# Altium PCB 心形流水灯原理图.PcbDoc
Units mil, origin at the board's own origin, x right, y up, seen from the top; angles counter-clockwise.
Board outline 3195 x 3035 mil, 2 copper layers (Top Layer, Bottom Layer); 71 components, 70 nets, 183 pads, 45 vias.
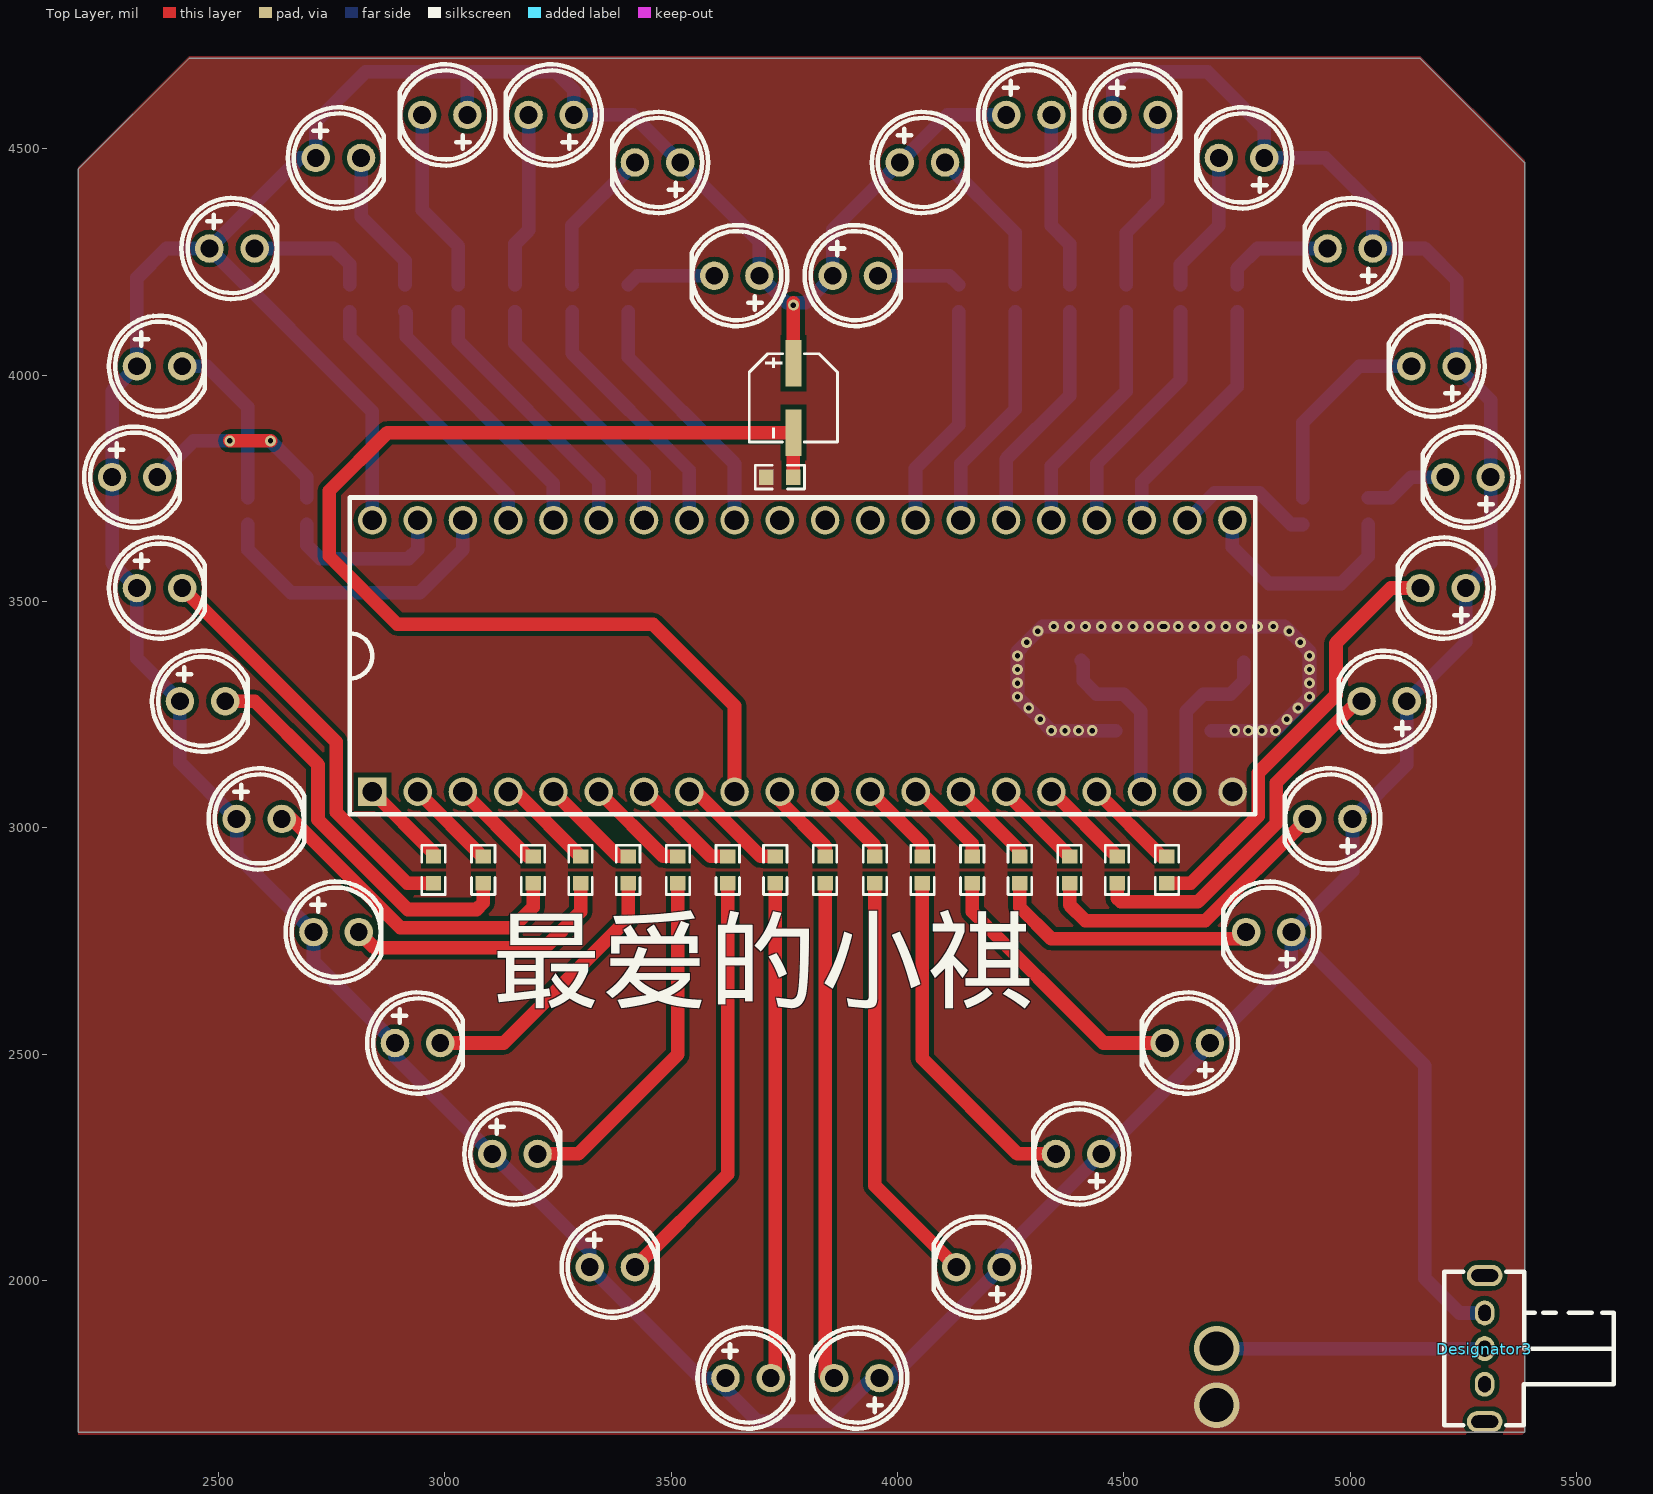
[diagram p0: Top Layer view]
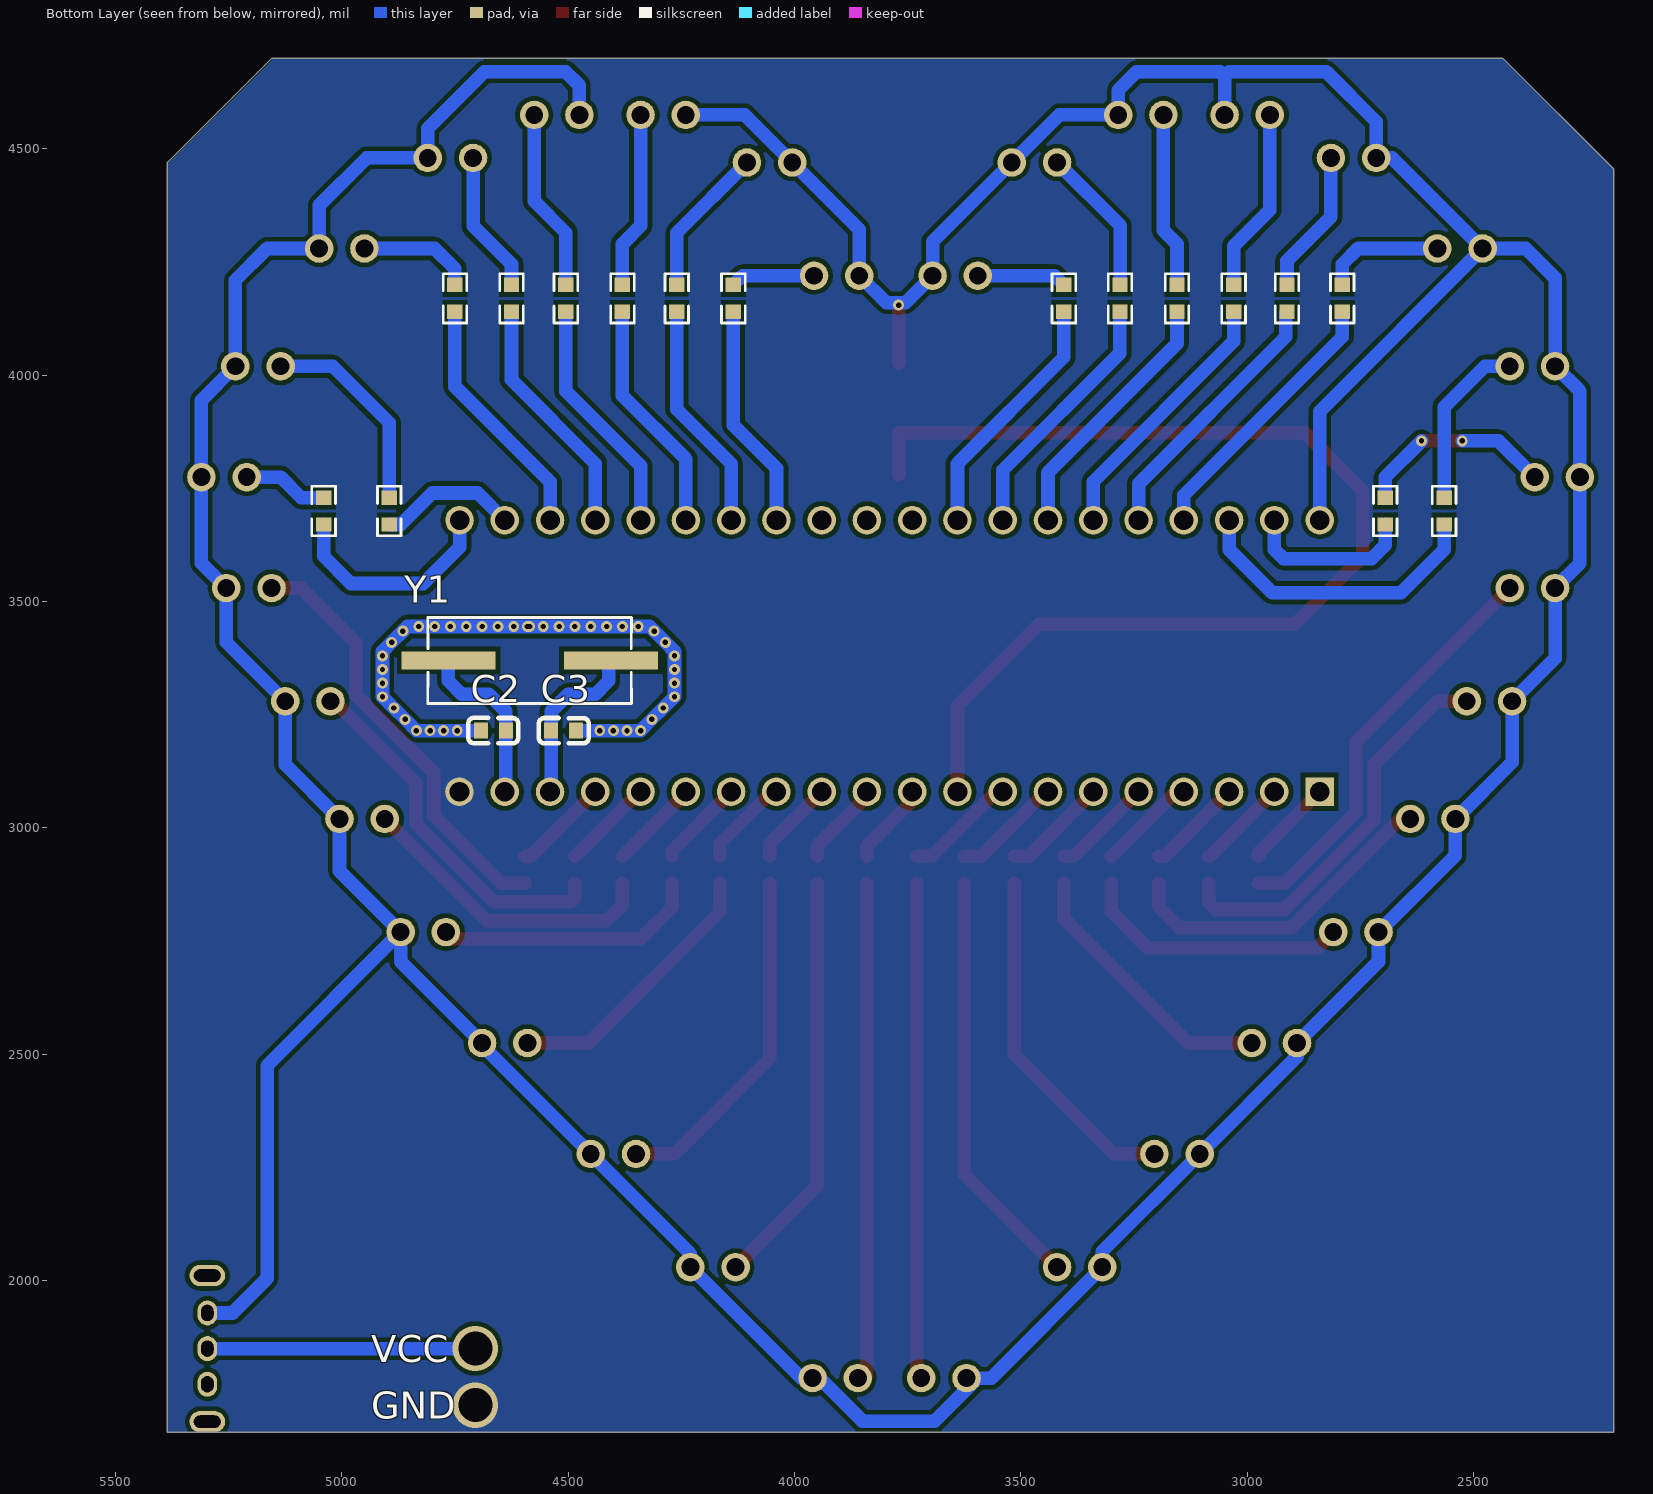
[diagram p1: Bottom Layer view, seen from below]

## Layer stack, top to bottom
Top Solder: solder mask 0.4, Solder Resist, Dk 3.5
Top Layer: signal copper 1.4
Dielectric 1: dielectric 12.6, FR-4, Dk 4.8
Bottom Layer: signal copper 1.4
Bottom Solder: solder mask 0.4, Solder Resist, Dk 3.5

## Board outline
2190,1665 2190,4455 2435,4700 5155,4700 5385,4470 5385,1665

## Design rules (kind name [scope] priority, off if disabled: settings)
Clearance [All] p1: gap=10 ignorepadtopadclearanceinfootprint=FALSE
PolygonConnect [All] p1: connectstyle=Direct reliefconductorwidth=10 reliefentries=4 polygonreliefangle="90 Angle" airgapwidth=10
RoutingVias [All] p1: holewidth=28 width=50 viastyle="Through Hole" minholewidth=28 minwidth=50 maxholewidth=28 maxwidth=50
SolderMaskExpansion [All] p1: expansion=4 istentingtop=FALSE
Width [All] p1: maxlimit=50 minlimit=10 preferedwidth=30
30 further rules are at their usual default settings.

## Classes and differential pairs
component class 心形流水灯原理图: C2 C3 DC Y1

## Components (designator, comment, footprint, x,y, rotation, side; value= is the part's Value field where it differs from the comment)
C1 "Cap Pol1" CAP-SMD_BD5.0-L5.3-W5.3-FD 3770,3950 r270 top value=10uF
C2 "Cap" C0603 4665,3215 r180 bottom value=30pF
C3 "Cap" C0603 4510,3215 r0 bottom value=30pF
Designator3 "Comment" SW-TH_SK-12D02-VG5 5395,1850 r90 top
L1 "LED" LED-TH_BD5.6-P2.54-FD 2315,3775 r0 top
L2 "LED" LED-TH_BD5.6-P2.54-FD 2370,4020 r0 top
L3 "LED" LED-TH_BD5.6-P2.54-FD 2530,4280 r0 top
L4 "LED" LED-TH_BD5.6-P2.54-FD 2765,4480 r0 top
L5 "LED" LED-TH_BD5.6-P2.54-FD 3000,4575 r180 top
L6 "LED" LED-TH_BD5.6-P2.54-FD 3235,4575 r180 top
L7 "LED" LED-TH_BD5.6-P2.54-FD 3470,4470 r180 top
L8 "LED" LED-TH_BD5.6-P2.54-FD 3645,4220 r180 top
L9 "LED" LED-TH_BD5.6-P2.54-FD 2370,3530 r0 top
L10 "LED" LED-TH_BD5.6-P2.54-FD 2465,3280 r0 top
L11 "LED" LED-TH_BD5.6-P2.54-FD 2590,3020 r0 top
L12 "LED" LED-TH_BD5.6-P2.54-FD 2760,2770 r0 top
L13 "LED" LED-TH_BD5.6-P2.54-FD 2940,2525 r0 top
L14 "LED" LED-TH_BD5.6-P2.54-FD 3155,2280 r0 top
L15 "LED" LED-TH_BD5.6-P2.54-FD 3370,2030 r0 top
L16 "LED" LED-TH_BD5.6-P2.54-FD 3670,1785 r0 top
L17 "LED" LED-TH_BD5.6-P2.54-FD 5260,3775 r180 top
L18 "LED" LED-TH_BD5.6-P2.54-FD 5185,4020 r180 top
L19 "LED" LED-TH_BD5.6-P2.54-FD 5000,4280 r180 top
L20 "LED" LED-TH_BD5.6-P2.54-FD 4760,4480 r180 top
L21 "LED" LED-TH_BD5.6-P2.54-FD 4525,4575 r0 top
L22 "LED" LED-TH_BD5.6-P2.54-FD 4290,4575 r0 top
L23 "LED" LED-TH_BD5.6-P2.54-FD 4055,4470 r0 top
L24 "LED" LED-TH_BD5.6-P2.54-FD 3906.8,4220 r0 top
L25 "LED" LED-TH_BD5.6-P2.54-FD 3910,1785 r180 top
L26 "LED" LED-TH_BD5.6-P2.54-FD 4180,2030 r180 top
L27 "LED" LED-TH_BD5.6-P2.54-FD 4400,2280 r180 top
L28 "LED" LED-TH_BD5.6-P2.54-FD 4640,2525 r180 top
L29 "LED" LED-TH_BD5.6-P2.54-FD 4820,2770 r180 top
L30 "LED" LED-TH_BD5.6-P2.54-FD 4955,3020 r180 top
L31 "LED" LED-TH_BD5.6-P2.54-FD 5075,3280 r180 top
L32 "LED" LED-TH_BD5.6-P2.54-FD 5205,3530 r180 top
MCU "STC89C52RC" DIP-40_L50.8-W17.8-P2.54-LS15.2-BL 3790,3380 r0 top
R1 "Res2" R0603 2695,3700 r270 bottom value=1K
R2 "Res2" R0603 2565,3700 r270 bottom value=1K
R3 "Res2" R0603 2790,4170 r270 bottom value=1K
R4 "Res2" R0603 2912.02,4170 r270 bottom value=1K
R5 "Res2" R0603 3030,4170 r270 bottom value=1K
R6 "Res2" R0603 3155,4170 r270 bottom value=1K
R7 "Res2" R0603 3281.07,4170 r270 bottom value=1K
R8 "Res2" R0603 3405,4170 r270 bottom value=1K
R9 "Res2" R0603 2975,2907.47 r90 top
R10 "Res2" R0603 3085,2907.47 r90 top
R11 "Res2" R0603 3195,2907.47 r90 top
R12 "Res2" R0603 3300,2907.47 r90 top
R13 "Res2" R0603 3405,2907.47 r90 top
R14 "Res2" R0603 3515,2907.47 r90 top
R15 "Res2" R0603 3625,2907.47 r90 top
R16 "Res2" R0603 3730,2907.47 r90 top value=1K
R17 "Res2" R0603 5040,3700 r270 bottom value=1K
R18 "Res2" R0603 4895,3700 r270 bottom value=1K
R19 "Res2" R0603 4750,4170 r270 bottom value=1K
R20 "Res2" R0603 4625,4170 r270 bottom value=1K
R21 "Res2" R0603 4505,4170 r270 bottom value=1K
R22 "Res2" R0603 4380,4170 r270 bottom value=1K
R23 "Res2" R0603 4260,4170 r270 bottom value=1K
R24 "Res2" R0603 4135,4170 r270 bottom value=1K
R25 "Res2" R0603 3840,2907.47 r90 top value=1K
R26 "Res2" R0603 3950,2907.47 r90 top value=1K
R27 "Res2" R0603 4055,2907.47 r90 top value=1K
R28 "Res2" R0603 4165,2907.47 r90 top value=1K
R29 "Res2" R0603 4270.2,2907.47 r90 top value=1K
R30 "Res2" R0603 4380,2907.47 r90 top value=1K
R31 "Res2" R0603 4485,2907.47 r90 top value=1K
R32 "Res2" R0603 4595,2907.47 r90 top value=1K
R33 "Res2" R0603 3740,3775 r0 top value=10K
Y1 "XTAL" HC-49S_L11.4-W4.8 4585,3370 r180 bottom

## Footprints (in the part's own frame and the unit in brackets; to place one, negate y for a bottom-side part, rotate by r counter-clockwise, add the part's x,y. Pads: shape width x height; smd on the part's side, far side on the other; paste and mask are expansions set on the pad)
C0603 [mm]
  rect 0.8x0.9 smd: 1(-0.7,0) 2(0.7,0)
  silkscreen extent -1.41,-0.71 1.39,0.72
CAP-SMD_BD5.0-L5.3-W5.3-FD [mm]
  rect 2.61x0.91 smd: 1(-1.945,0) 2(1.945,0)
  silkscreen extent -2.48,-2.48 2.48,2.48
DIP-40_L50.8-W17.8-P2.54-LS15.2-BL [mm]
  rect 1.6x1.6 hole 1.1: 1(-24.13,-7.62)
  round 1.6 hole 1.1: 2(-21.59,-7.62) 3(-19.05,-7.62) 4(-16.51,-7.62) 5(-13.97,-7.62) 6(-11.43,-7.62) 7(-8.89,-7.62) 8(-6.35,-7.62) 9(-3.81,-7.62) 10(-1.27,-7.62) 11(1.27,-7.62) 12(3.81,-7.62) 13(6.35,-7.62) 14(8.89,-7.62) 15(11.43,-7.62) 16(13.97,-7.62) 17(16.51,-7.62) 18(19.05,-7.62) 19(21.59,-7.62) 20(24.13,-7.62) 21(24.125,7.62) 22(21.586,7.62) 23(19.045,7.62) 24(16.505,7.62) 25(13.965,7.62) 26(11.425,7.62) 27(8.885,7.62) 28(6.345,7.62) 29(3.81,7.62) 30(1.27,7.62) 31(-1.27,7.62) 32(-3.81,7.62) 33(-6.35,7.62) 34(-8.89,7.62) 35(-11.43,7.62) 36(-13.97,7.62) 37(-16.51,7.62) 38(-19.05,7.62) 39(-21.59,7.62) 40(-24.13,7.62)
  silkscreen extent -25.4,-8.89 25.4,8.89
HC-49S_L11.4-W4.8 [mm]
  rect 5.274x1.02 smd: 1(4.553,0) 2(-4.553,0)
  silkscreen extent -5.71,-2.41 5.71,2.41
LED-TH_BD5.6-P2.54-FD [mm]
  round 1.6 hole 1: 1(-1.27,0) 2(1.27,0)
  silkscreen extent -2.84,-2.84 2.54,2.84
R0603 [mil]
  rect 31.75x34.02 smd: 1(-29.66,0) 2(29.66,0)
  silkscreen extent -55,-26 55,26
SW-TH_SK-12D02-VG5 [mm]
  oval 1.4x1.1 hole 0.7 slot 0.9 at 0 deg: 1(-2,2.491) 2(0,2.49) 3(2,2.489)
  oval 1.2x2 hole 0.7 slot 1.5 at 90 deg: 4(4.1,2.49) 5(-4.1,2.49)
  silkscreen extent -4.3,-4.76 4.3,4.76

## Part data
C1: "Polarized Capacitor (Radial)", LatestRevisionDate=17-Jul-2002, LatestRevisionNote="Re-released for DXP Platform.", PackageReference=RB7.6-15, Published=8-Jun-2000, Publisher="Altium Limited"
C2 C3: "Capacitor", LatestRevisionDate=17-Jul-2002, LatestRevisionNote="Re-released for DXP Platform.", PackageReference=RAD-0.3, Published=8-Jun-2000, Publisher="Altium Limited"
L1 L2 L3 L4 L5 L6 L7 L8 L9 L10 L11 L12 L13 L14 L15 L16 L17 L18 L19 L20 L21 L22 L23 L24 L25 L26 L27 L28 L29 L30 L31 L32: library part LED_T
MCU: "STC单片机", BOM名称=STC单片机, 学习资源=www.ooocke.com, 版权归属=源创客
R1 R2 R3 R4 R5 R6 R7 R8 R9 R10 R11 R12 R13 R14 R15 R16 R17 R18 R19 R20 R21 R22 R23 R24 R25 R26 R27 R28 R29 R30 R31 R32 R33: "Resistor", LatestRevisionDate=17-Jul-2002, LatestRevisionNote="Re-released for DXP Platform.", PackageReference=AXIAL-0.4, Published=8-Jun-2000, Publisher="Altium Limited"
  R1 R2 R3 R4 R5 R6 R7 R8 R9 R10 R11 R12 R13 R14 R15 R16 R17 R18 R19 R20 R21 R22 R23 R24 R25 R26 R27 R28 R29 R30 R31 R32: PackageDescription="Axial Device, Thru-Hole; 2 Leads; 0.4 in Pin Spacing"
Y1: "Crystal Oscillator", LatestRevisionDate=17-Jul-2002, LatestRevisionNote="Re-released for DXP Platform.", PackageReference=R38, Published=8-Jun-2000, Publisher="Altium Limited"

## Via types
v1: diameter 24, hole 12, Top Layer to Bottom Layer, tented both sides, 43 vias
v2: diameter 100, hole 75, Top Layer to Bottom Layer, 2 vias

## Nets (pads, with @x,y where several pads share a name; then routed paths per layer and width w, separated by ;. In a path a pad name is that pad's centre, name@x,y a point inside that pad or via, vN(x,y) a via of type N, cw(c..) or ccw(c..) an arc to the next point about the centre after c; other vN are vias at no path point)
GND: C2.1 C3.1 MCU.20 R33.1 | length 1387.6
  Bottom Layer w30: C3.1 v1(4430,3215) v1(4400,3215) v1(4370,3215) v1(4340,3215) v1(4315,3240) v1(4290,3265) v1(4265,3290) v1(4265,3320) v1(4265,3350) v1(4265,3380) 4265,3390 v1(4285,3410) v1(4310,3435) 4320,3445 v1(4345,3445) v1(4380,3445) v1(4415,3445) v1(4450,3445) v1(4485,3445) v1(4520,3445) v1(4555,3445) v1(4585,3445) v1(4590,3445) v1(4620,3445) v1(4655,3445) v1(4690,3445) v1(4725,3445) v1(4760,3445) v1(4795,3445) v1(4830,3445) 4855,3445 v1(4865,3435) v1(4890,3410) 4910,3390 v1(4910,3380) v1(4910,3350) v1(4910,3320) v1(4910,3290) v1(4885,3265) v1(4860,3240) v1(4835,3215) v1(4805,3215) v1(4775,3215) v1(4745,3215) C2.1
  other v2: 4705,1725
NetDC_1: Designator3.2 | length 599
  Bottom Layer w30: v2(4705,1850.01) Designator3.2 ; v2@4730,1840 v2@4735.01,1845.01
NetL1_2: L1.2 R1.1 | length 441.6
  Top Layer w30: v1(2525,3855) v1(2615,3855)
  Bottom Layer w30: L1.2 2445,3855 v1(2525,3855) ; v1(2615,3855) 2695,3775 R1.1
NetL2_2: L2.2 R2.1 | length 382.6
  Bottom Layer w30: L2.2 2475,4020 2565,3930 R2.1
NetL3_2: L3.2 R3.1 | length 269.8
  Bottom Layer w30: L3.2 2755,4280 2790,4245 R3.1
NetL4_2: L4.2 R4.1 | length 320.5
  Bottom Layer w30: L4.2 2815,4350 2912.02,4252.98 R4.1
NetL5_2: L5.2 R5.1 | length 408.5
  Bottom Layer w30: L5.2 2950,4365 3030,4285 R5.1
NetL6_2: L6.2 R6.1 | length 387.8
  Bottom Layer w30: R6.1 3155,4290 3185,4320 L6.2
NetL7_2: L7.2 R7.1 | length 328.8
  Bottom Layer w30: R7.1 3280,4200.73 3280,4330 L7.2
NetL8_2: L8.2 R8.1 | length 198.4
  Bottom Layer w30: R8.1 3425.34,4220 L8.2
NetL9_2: L9.2 R9.1 | length 915.9
  Top Layer w30: L9.2 2760,3190 2760,3035 2917.19,2877.81 R9.1
NetL10_2: L10.2 R10.1 | length 880.8
  Top Layer w30: L10.2 2580,3280 2720,3140 2720,3018.43 2918.43,2820 3070,2820 3085,2835 R10.1
NetL11_2: L11.2 R11.1 | length 725.9
  Top Layer w30: L11.2 2661.86,3020 2901.86,2780 3150,2780 3195,2825 R11.1
NetL12_2: L12.2 R12.1 | length 600.4
  Top Layer w30: L12.2 2845,2735 3220,2735 3300,2815 R12.1
NetL13_2: L13.2 R13.1 | length 606.7
  Top Layer w30: L13.2 3130,2525 3405,2800 R13.1
NetL14_2: L14.2 R14.1 | length 778.9
  Top Layer w30: L14.2 3295,2280 3515,2500 R14.1
NetL15_2: L15.2 R15.1 | length 932.7
  Top Layer w30: L15.2 3625,2235 R15.1
NetL16_2: L16.2 R16.1 | length 1102.4
  Top Layer w30: L16.2@3706.8,1785 3730,1808.2 R16.1
NetL17_2: L17.2 R17.1 | length 188.8
  Bottom Layer w30: R17.1 5089.65,3729.66 5135,3775 L17.2
NetL18_2: L18.2 R18.1 | length 457.1
  Bottom Layer w30: R18.1 4895,3895 5020,4020 L18.2
NetL19_2: L19.2 R19.1 | length 254
  Bottom Layer w30: R19.1 4750,4235 4795,4280 L19.2
NetL20_2: L20.2 R20.1 | length 315.6
  Bottom Layer w30: R20.1 4625,4245 4710,4330 L20.2
NetL21_2: L21.2 R21.1 | length 404.3
  Bottom Layer w30: R21.1 4505,4315 4575,4385 L21.2
NetL22_2: L22.2 R22.1 | length 391.9
  Bottom Layer w30: L22.2 4340,4330 4380,4290 R22.1
NetL23_2: L23.2 R23.1 | length 334.5
  Bottom Layer w30: L23.2 4260,4315 R23.1
NetL24_2: L24.2 R24.1 | length 186.6
  Bottom Layer w30: L24.2 4114.65,4220 R24.1
NetL25_2: L25.2 R25.1 | length 1094.9
  Top Layer w30: R25.1 3840,1790 L25.2@3845,1785
NetL26_2: L26.2 R26.1 | length 922.4
  Top Layer w30: R26.1 3950,2210 L26.2
NetL27_2: L27.2 R27.1 | length 769.8
  Top Layer w30: R27.1 4055,2490 4265,2280 L27.2
NetL28_2: L28.2 R28.1 | length 607.9
  Top Layer w30: R28.1 4165,2815 4455,2525 L28.2
NetL29_2: L29.2 R29.1 | length 587.9
  Top Layer w30: R29.1 4270.2,2824.8 4340,2755 4755,2755 L29.2
NetL30_2: L30.2 R30.1 | length 680.5
  Top Layer w30: R30.1 4380,2830 4415,2795 4680,2795 L30.2
NetL31_2: L31.2 R31.1 | length 812.4
  Top Layer w30: R31.1 4485,2845 4493.06,2836.94 4663.51,2836.94 4836.5,3009.93 4836.5,3099.93 5016.57,3280 L31.2
NetL32_2: L32.2 R32.1 | length 953.2
  Top Layer w30: R32.1 4647.81,2877.81 4796.5,3026.5 4796.5,3121.5 4968.5,3293.5 4968.5,3408.5 5090,3530 L32.2
P00: MCU.39 R1.2 | length 376.1
  Bottom Layer w30: R1.2 2695,3625 2725,3595 2920,3595 2940,3615 MCU.39
P01: MCU.38 R2.2 | length 674
  Bottom Layer w30: R2.2 2565,3615 2660,3520 2945,3520 3040,3615 MCU.38
P02: MCU.37 R3.2 | length 605.3
  Bottom Layer w30: R3.2 2790,4085 3140,3735 MCU.37
P03: MCU.36 R4.2 | length 596.2
  Bottom Layer w30: R4.2 2915,4137.37 2915,4085 3240,3760 MCU.36
P04: MCU.35 R5.2 | length 588.8
  Bottom Layer w30: R5.2 3030,4075 3340,3765 MCU.35
P05: MCU.34 R6.2 | length 578.4
  Bottom Layer w30: R6.2 3155,4070 3440,3785 MCU.34
P06: MCU.33 R7.2 | length 567.6
  Bottom Layer w30: R7.2 3281.07,4048.93 3540,3790 MCU.33
P07: MCU.32 R8.2 | length 557.7
  Bottom Layer w30: R8.2 3405,4040 3640,3805 MCU.32
P10: MCU.1 R9.2 | length 198.8
  Top Layer w30: MCU.1 2975,2945 R9.2
P11: MCU.2 R10.2 | length 204.2
  Top Layer w30: MCU.2 3082.88,2937.12 R10.2
P12: MCU.3 R11.2 | length 214.2
  Top Layer w30: MCU.3 3182.88,2937.12 R11.2
P13: MCU.4 R12.2 | length 219.2
  Top Layer w30: MCU.4 3157.12,3080 R12.2
P14: MCU.5 R13.2 | length 224.2
  Top Layer w30: MCU.5 3382.88,2937.12 R13.2
P15: MCU.6 R14.2 | length 234.2
  Top Layer w30: MCU.6 3482.88,2937.12 R14.2
P16: MCU.7 R15.2 | length 244.2
  Top Layer w30: MCU.7 3445,3080 3587.88,2937.12 R15.2
P17: MCU.8 R16.2 | length 249.2
  Top Layer w30: MCU.8 3555,3080 3697.88,2937.12 R16.2
P20: MCU.21 R17.2 | length 488.4
  Bottom Layer w30: MCU.21 4739.8,3620.2 4820,3540 4980,3540 5040,3600 R17.2
P21: MCU.22 R18.2 | length 308.8
  Bottom Layer w30: MCU.22 4699.86,3740 4800,3740 4869.65,3670.34 R18.2
P22: MCU.23 R19.2 | length 547.4
  Bottom Layer w30: MCU.23 4539.8,3764.8 4750,3975 R19.2
P23: MCU.24 R20.2 | length 537.1
  Bottom Layer w30: MCU.24 4439.8,3804.8 4625,3990 R20.2
P24: MCU.25 R21.2 | length 528.8
  Bottom Layer w30: MCU.25 4339.8,3799.8 4505,3965 R21.2
P25: MCU.26 R22.2 | length 518.4
  Bottom Layer w30: MCU.26 4239.8,3814.8 4380,3955 R22.2
P26: MCU.27 R23.2 | length 510.1
  Bottom Layer w30: MCU.27 4139.8,3804.8 4260,3925 R23.2
P27: MCU.28 R24.2 | length 499.8
  Bottom Layer w30: MCU.28 4039.8,3794.8 4135,3890 R24.2
P30: MCU.10 R25.2 | length 184.3
  Top Layer w30: MCU.10 3740,3060 3840,2960 R25.2
P31: MCU.11 R26.2 | length 188.4
  Top Layer w30: MCU.11 3840,3070 3950,2960 R26.2
P32: MCU.12 R27.2 | length 190.5
  Top Layer w30: MCU.12 4055,2965 R27.2
P33: MCU.13 R28.2 | length 200.5
  Top Layer w30: MCU.13 4050,3080 4165,2965 R28.2
P34: MCU.14 R29.2 | length 196.8
  Top Layer w30: MCU.14 4270.2,2949.8 R29.2
P35: MCU.15 R30.2 | length 200.9
  Top Layer w30: MCU.15 4240,3077.12 R30.2
P36: MCU.16 R31.2 | length 204.2
  Top Layer w30: MCU.16 4342.12,3080 R31.2
P37: MCU.17 R32.2 | length 214.2
  Top Layer w30: MCU.17 4582.88,2937.12 R32.2
RES: C1.2 MCU.9 R33.2 | length 2537.6
  Top Layer w30: MCU.9 3640,3270 3460,3450 2895,3450 2745,3600 2745,3745 2873.43,3873.43 C1.2 R33.2@3770,3780.69
VCC: C1.1 Designator3.3 L1.1 L2.1 L3.1 L4.1 L5.1 L6.1 L7.1 L8.1 L9.1 L10.1 L11.1 L12.1 L13.1 L14.1 L15.1 L16.1 L17.1 L18.1 L19.1 L20.1 L21.1 L22.1 L23.1 L24.1 L25.1 L26.1 L27.1 L28.1 L29.1 L30.1 L31.1 L32.1 MCU.40 | length 12317.4
  Top Layer w30: C1.1 v1(3770,4155) v1@3770,4160
  Bottom Layer w30: MCU.40 2840,3920 L3.1 ; L5.1 3050,4660 ; L22.1 4110,4575 L23.1 3856.8,4321.8 L24.1 3796.8,4160 3755,4160 L8.1 3695,4295 L7.1 3415,4575 L6.1 3285,4630 3245,4670 3060,4670 3050,4660 ; L21.1 4475,4640 4505,4670 4685,4670 4810,4545 L20.1 4945,4480 5050,4375 L19.1 5165,4280 5235,4210 L18.1 5310,3945 L17.1 5310,3585 L32.1 5255,3410 L31.1 5125,3140 L30.1 5005,2905 L29.1 ; Designator3.3 5241.26,1928.74 5165,2005 5165,2475 L29.1 ; L3.1 2680,4480 L4.1 2715,4560 2825,4670 3040,4670 3050,4660 ; L3.1 2385,4280 2320,4215 L2.1 2265,3965 L1.1 2265,3585 L9.1 2320,3375 L10.1 2415,3145 L11.1 2540,2940 L12.1 2710,2705 L13.1 2890,2495 L14.1 3320,2065 L15.1 3565,1785 3595,1785 3690,1690 3850,1690 3945,1785 L25.1 3985,1785 L26.1 4230,2060 L27.1 4690,2520 L28.1 4870,2705 L29.1
X1: C2.2 MCU.19 Y1.2 | length 374.8
  Bottom Layer w30: MCU.19 4637.44,3082.56 C2.2 4637.44,3257.45 4675,3295 4735,3295 4765,3325 Y1.2@4765,3365.75
X2: C3.2 MCU.18 Y1.1 | length 380.8
  Bottom Layer w30: Y1.1 4410,3365.75 4410,3325 4440,3295 4500,3295 4537.56,3257.45 C3.2 4537.56,3082.45 MCU.18
pads on no net: Designator3.1 Designator3.4 Designator3.5 MCU.29 MCU.30 MCU.31

## Polygon pours and split planes (outlines as drawn)
GND on Bottom Layer "GND_L02_P000" (solid, pour order 0): 2435,4700 5155,4700 5155,4695 5385,4465 5385,1665 2190,1665 2190,4455
GND on Top Layer "GND_L01_P002" (solid, pour order 2): 2435,4705 2190,4460 2190,1660 5380,1660 5385,1665 5385,4475 5155,4705

## Silkscreen, mask and mechanical layers (free items; w line width, h text height)
Top Overlay:
  text "最爱的小祺" at 3105,2565 h300
Bottom Overlay:
  text "VCC" at 4935,1820.02 h60
  text "GND" at 4935,1695.01 h60
Mechanical 1:
  the board outline again, w10